# KiCad board coils_12_35_10_2_layer.kicad_pcb (continued)
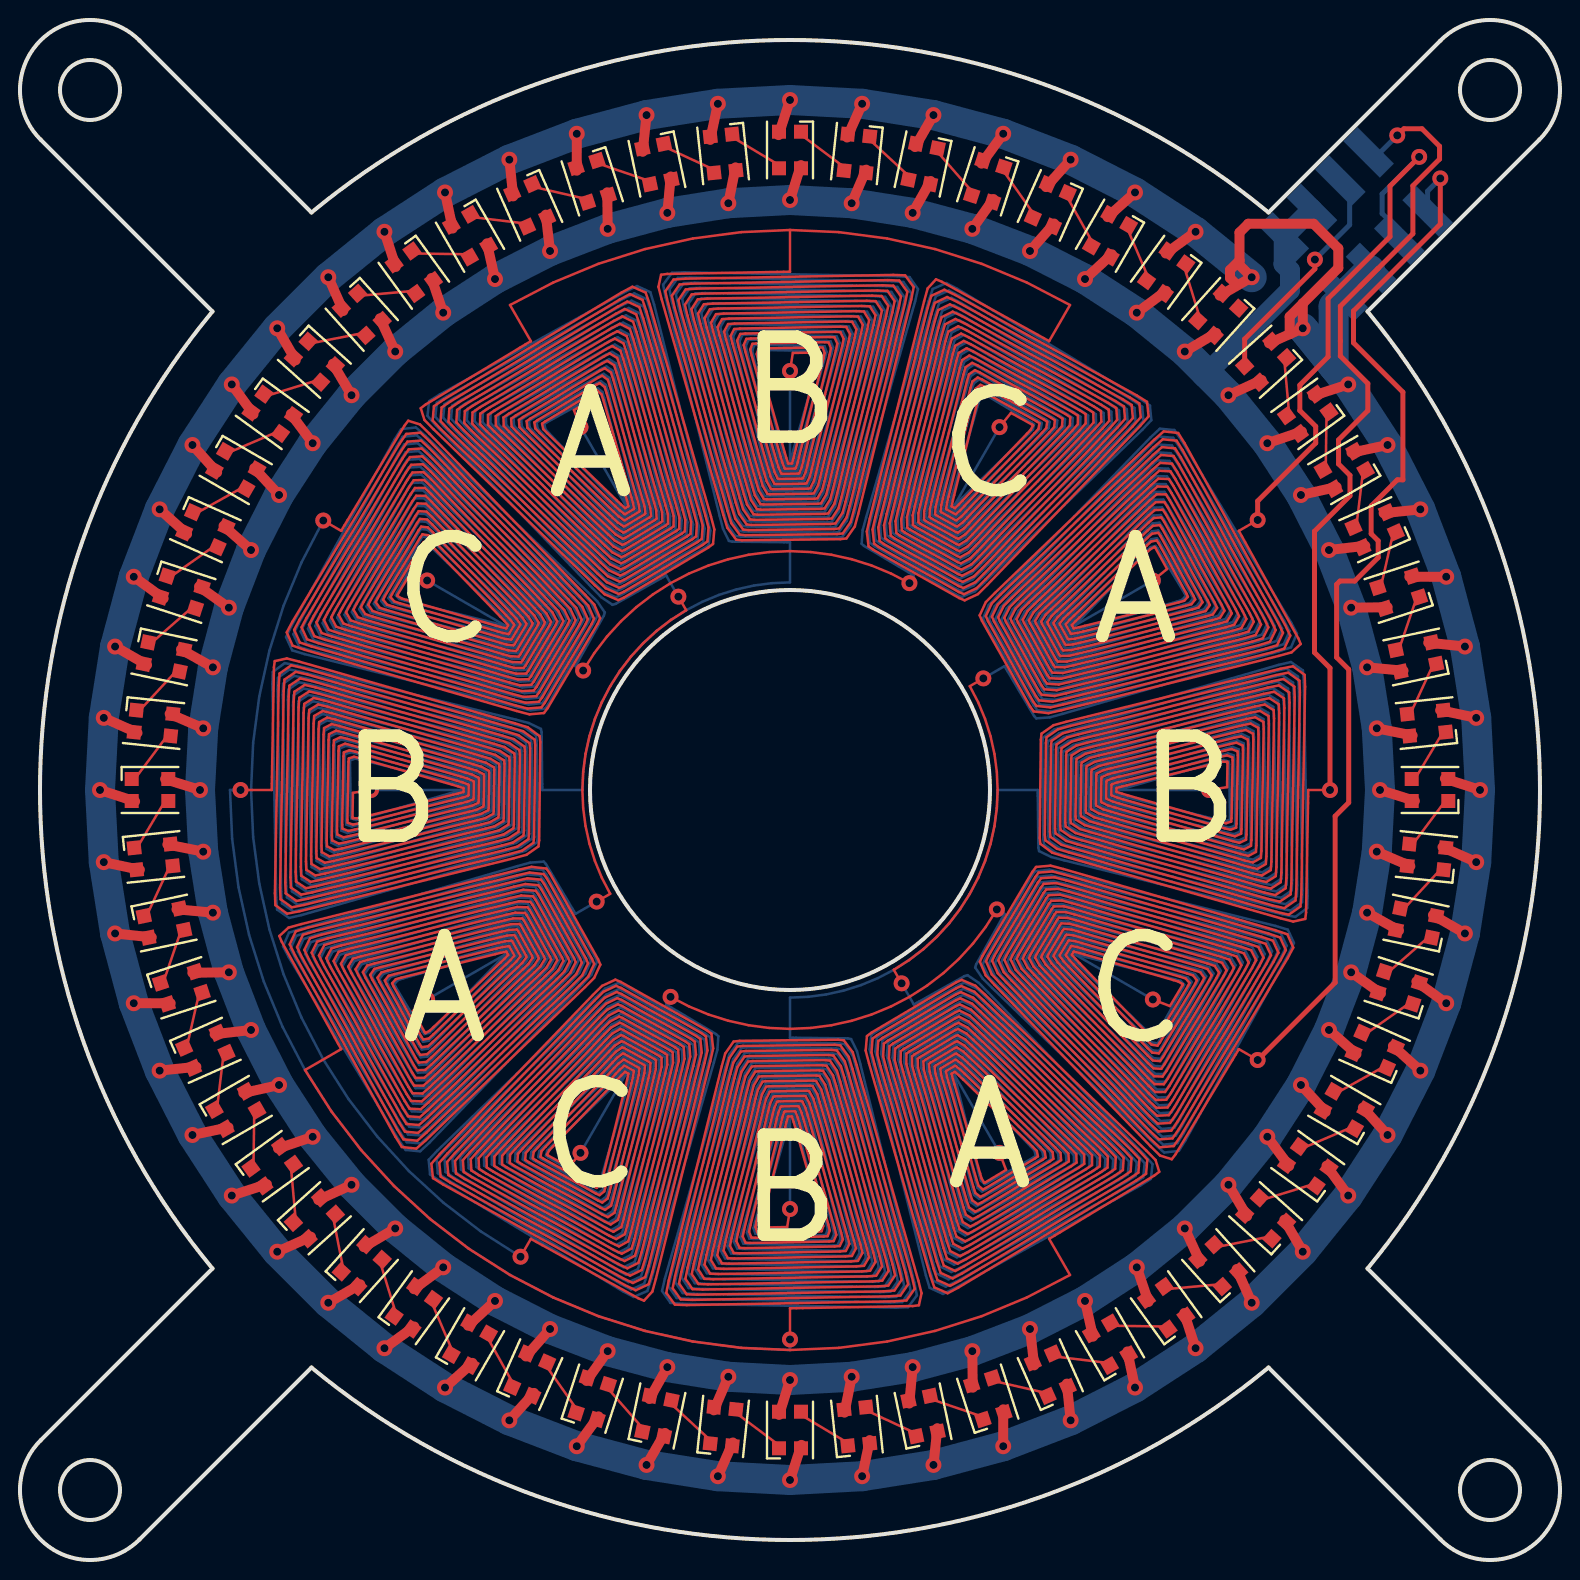
[diagram p0: board, top side]
## Routing (per net, layer and track width the routed paths; a pad name or vN(x,y) marks a point on that pad's centre or on a via; arc(x,y) is an arc through that point) (continued)
23.82,36.09 24.34,36.25 24.84,36.59 24.86,36.8 24.82,40.29 24.79,40.5 24.3,40.82 23.78,40.96 14.93,43.15 14.41,43.25 13.93,42.93 13.91,42.47 14.06,34.5 14.09,34.04 14.57,33.73 15.07,33.85 23.61,36.29 24.11,36.45 24.58,36.76 24.61,36.95 24.57,40.13 24.54,40.32 24.07,40.62 23.58,40.75 15.14,42.84 14.65,42.93 14.19,42.64 14.17,42.21 14.3,34.77 14.34,34.34 14.8,34.06 15.27,34.17 23.4,36.5 23.88,36.64 24.33,36.93 24.35,37.11 24.32,39.97 24.29,40.14 23.84,40.41 23.37,40.54 15.35,42.52 14.88,42.62 14.45,42.34 14.43,41.95 14.55,35.05 14.58,34.65 15.02,34.39 15.47,34.5 23.19,36.7 23.65,36.84 24.07,37.11 24.1,37.26 24.07,39.81 24.04,39.96 23.62,40.21 23.17,40.33 15.57,42.21 15.12,42.3 14.7,42.05 14.69,41.68 14.8,35.32 14.83,34.95 15.24,34.71 15.67,34.82 22.99,36.91 23.41,37.04 23.82,37.28 23.84,37.42 23.81,39.64 23.79,39.78 23.39,40 22.97,40.11 15.78,41.89 15.36,41.98 14.96,41.76 14.95,41.42 15.05,35.59 15.08,35.25 15.47,35.04 15.87,35.14 22.78,37.11 23.18,37.23 23.56,37.45 23.58,37.57 23.56,39.48 23.54,39.6 23.16,39.8 22.77,39.9 15.99,41.58 15.59,41.66 15.22,41.46 15.2,41.16 15.3,35.86 15.33,35.56 15.69,35.37 16.07,35.46 22.57,37.32 22.95,37.43 23.31,37.62 23.33,37.72 23.31,39.32 23.29,39.42 22.94,39.59 22.56,39.69 16.2,41.27 15.83,41.34 15.48,41.17 15.46,40.89 15.55,36.14 15.57,35.86 15.92,35.69 16.27,35.78 22.36,37.52 22.72,37.63 23.06,37.8 23.07,37.88 23.06,39.16 23.04,39.24 22.71,39.39 22.36,39.48 16.41,40.95 16.06,41.03 15.74,40.87 15.72,40.63 15.8,36.41 15.82,36.16 16.14,36.02 16.47,36.1 22.15,37.73 22.49,37.83 22.8,37.97 22.82,38.03 22.81,38.99 22.79,39.06 22.48,39.19 22.16,39.27 16.62,40.64 16.3,40.71 15.99,40.58 15.98,40.37 16.05,36.68 16.07,36.47 16.36,36.35 16.67,36.42 21.94,37.93 22.25,38.02 22.55,38.14 22.56,38.18 22.55,38.83 22.54,38.87 22.25,38.98 21.95,39.06 16.83,40.32 16.53,40.39 16.25,40.28 16.24,40.1 16.3,36.95 16.32,36.77 16.59,36.67 16.87,36.75 21.74,38.14 22.02,38.22 22.29,38.31 22.31,38.34 22.3,38.67 22.29,38.69 22.03,38.78 21.75,38.85 17.04,40.01 16.77,40.07 16.51,39.99 16.5,39.84 16.55,37.22 16.56,37.07 16.81,37 17.07,37.07 21.53,38.34 21.79,38.42 22.04,38.49 22.05,38.49 22.05,38.5 v1(17.55,38.5) ; v1(11.03,38.5) 10.5,38.5 10.61,36.06 10.93,33.64 11.45,31.25 12.19,28.92 13.12,26.67 14.25,24.5 15.56,22.44 17.05,20.5 18.7,18.7 20.5,17.05 22.44,15.56 24.5,14.25 26.67,13.12 28.92,12.19 31.25,11.45 33.64,10.93 36.06,10.61 38.5,10.5 v1(38.5,11.03) ; v1(28.16,44.47) 27.77,44.69 29.19,47.22 29.24,47.37 28.86,47.93 28.39,48.4 20.28,56.2 19.79,56.63 19.06,56.54 18.73,56.02 13.57,46.7 13.3,46.15 13.61,45.48 14.22,45.3 24.89,42.63 25.53,42.48 26.25,42.57 26.42,42.8 28.75,46.95 28.86,47.22 28.56,47.86 28.11,48.32 20.31,55.82 19.84,56.23 19.13,56.16 18.82,55.66 13.92,46.81 13.67,46.29 13.97,45.65 14.55,45.48 24.82,42.91 25.42,42.77 26.12,42.84 26.27,43.06 28.45,46.93 28.55,47.18 28.26,47.8 27.83,48.23 20.34,55.44 19.88,55.84 19.21,55.78 18.91,55.31 14.28,46.93 14.03,46.43 14.32,45.82 14.89,45.65 24.74,43.19 25.32,43.06 25.98,43.12 26.13,43.32 28.15,46.92 28.25,47.15 27.96,47.74 27.55,48.15 20.36,55.07 19.93,55.45 19.28,55.39 19.01,54.95 14.63,47.04 14.4,46.57 14.68,45.99 15.22,45.83 24.66,43.47 25.22,43.34 25.85,43.4 25.99,43.58 27.85,46.91 27.94,47.12 27.66,47.67 27.26,48.07 20.39,54.69 19.97,55.05 19.36,55.01 19.1,54.59 14.98,47.15 14.77,46.7 15.04,46.17 15.56,46.01 24.58,43.75 25.12,43.63 25.71,43.67 25.84,43.85 27.55,46.89 27.63,47.09 27.36,47.61 26.98,47.99 20.41,54.31 20.02,54.66 19.44,54.62 19.19,54.23 15.33,47.26 15.13,46.84 15.4,46.34 15.89,46.19 24.5,44.03 25.01,43.92 25.58,43.95 25.7,44.11 27.25,46.88 27.32,47.06 27.06,47.55 26.7,47.91 20.44,53.93 20.06,54.27 19.51,54.24 19.28,53.88 15.68,47.37 15.5,46.98 15.75,46.51 16.22,46.37 24.42,44.32 24.91,44.2 25.44,44.23 25.55,44.37 26.95,46.86 27.02,47.03 26.76,47.48 26.42,47.83 20.47,53.56 20.11,53.87 19.59,53.86 19.38,53.52 16.03,47.48 15.86,47.12 16.11,46.68 16.56,46.55 24.35,44.6 24.81,44.49 25.31,44.51 25.41,44.63 26.65,46.85 26.71,46.99 26.46,47.42 26.14,47.75 20.49,53.18 20.15,53.48 19.67,53.47 19.47,53.16 16.39,47.59 16.23,47.26 16.47,46.85 16.89,46.72 24.27,44.88 24.7,44.78 25.18,44.78 25.26,44.89 26.35,46.83 26.4,46.96 26.17,47.36 25.86,47.66 20.52,52.8 20.2,53.09 19.74,53.09 19.56,52.8 16.74,47.7 16.59,47.4 16.82,47.02 17.22,46.9 24.19,45.16 24.6,45.06 25.04,45.06 25.12,45.15 26.05,46.82 26.09,46.93 25.87,47.29 25.57,47.58 20.54,52.42 20.24,52.69 19.82,52.7 19.65,52.45 17.09,47.82 16.96,47.54 17.18,47.19 17.56,47.08 24.11,45.44 24.5,45.35 24.91,45.34 24.97,45.41 25.76,46.8 25.79,46.9 25.57,47.23 25.29,47.5 20.57,52.05 20.29,52.3 19.9,52.32 19.75,52.09 17.44,47.93 17.33,47.68 17.54,47.36 17.89,47.26 24.03,45.72 24.4,45.64 24.77,45.61 24.83,45.67 25.46,46.79 25.48,46.87 25.27,47.17 25.01,47.42 20.6,51.67 20.33,51.91 19.97,51.94 19.84,51.73 17.79,48.04 17.69,47.82 17.9,47.53 18.23,47.44 23.96,46 24.29,45.92 24.64,45.89 24.68,45.93 25.16,46.78 25.17,46.84 24.97,47.1 24.73,47.34 20.62,51.29 20.38,51.51 20.05,51.55 19.93,51.38 18.15,48.15 18.06,47.96 18.25,47.7 18.56,47.62 23.88,46.29 24.19,46.21 24.5,46.17 24.54,46.2 24.86,46.76 24.86,46.81 24.67,47.04 24.45,47.26 20.65,50.91 20.42,51.12 20.12,51.17 20.02,51.02 18.5,48.26 18.42,48.1 18.61,47.87 18.89,47.79 23.8,46.57 24.09,46.5 24.37,46.44 24.39,46.46 24.56,46.75 24.56,46.77 24.37,46.98 24.17,47.17 20.67,50.54 20.47,50.73 20.2,50.79 20.12,50.66 18.85,48.37 18.79,48.23 18.97,48.04 19.23,47.97 23.72,46.85 23.99,46.78 24.24,46.72 24.25,46.72 24.25,46.72 v1(20.36,48.98) ; v1(56.64,48.98) 52.75,46.73 52.74,46.73 52.75,46.74 52.93,46.93 53.12,47.12 56.34,50.45 56.53,50.64 56.79,50.7 56.87,50.58 58.22,48.34 58.29,48.2 58.1,48.01 57.84,47.92 53.18,46.58 52.91,46.5 52.64,46.44 52.61,46.45 52.44,46.74 52.44,46.77 52.63,46.98 52.84,47.2 56.35,50.83 56.56,51.04 56.85,51.09 56.95,50.94 58.58,48.24 58.66,48.08 58.47,47.85 58.18,47.75 53.11,46.29 52.81,46.21 52.51,46.16 52.48,46.18 52.15,46.74 52.14,46.79 52.33,47.04 52.55,47.27 56.36,51.21 56.59,51.43 56.91,51.48 57.03,51.3 58.94,48.14 59.03,47.95 58.83,47.69 58.52,47.59 53.04,46.01 52.72,45.92 52.38,45.87 52.34,45.92 51.85,46.75 51.83,46.81 52.03,47.09 52.27,47.34 56.38,51.59 56.62,51.83 56.97,51.86 57.11,51.66 59.29,48.04 59.4,47.83 59.19,47.53 58.86,47.42 52.97,45.72 52.62,45.63 52.26,45.59 52.2,45.65 51.55,46.75 51.52,46.83 51.73,47.15 51.99,47.42 56.39,51.97 56.65,52.22 57.04,52.25 57.19,52.02 59.65,47.95 59.77,47.7 59.56,47.37 59.2,47.25 52.9,45.44 52.53,45.33 52.13,45.31 52.06,45.39 51.25,46.76 51.22,46.85 51.43,47.2 51.71,47.49 56.4,52.35 56.69,52.62 57.1,52.63 57.27,52.38 60,47.85 60.14,47.58 59.92,47.22 59.54,47.09 52.83,45.15 52.43,45.04 52,45.03 51.93,45.12 50.95,46.76 50.91,46.88 51.13,47.25 51.42,47.56 56.41,52.72 56.72,53.01 57.16,53.02 57.35,52.74 60.36,47.75 60.51,47.45 60.28,47.06 59.88,46.92 52.76,44.87 52.34,44.75 51.88,44.75 51.79,44.85 50.65,46.77 50.6,46.9 50.83,47.31 51.14,47.64 56.43,53.1 56.75,53.41 57.22,53.41 57.43,53.1 60.71,47.65 60.88,47.32 60.65,46.9 60.22,46.76 52.69,44.58 52.24,44.46 51.75,44.46 51.65,44.59 50.35,46.77 50.3,46.92 50.53,47.36 50.86,47.71 56.44,53.48 56.78,53.8 57.29,53.79 57.51,53.46 61.07,47.55 61.25,47.2 61.01,46.74 60.56,46.59 52.62,44.3 52.15,44.17 51.63,44.18 51.52,44.32 50.06,46.78 49.99,46.94 50.23,47.42 50.57,47.78 56.45,53.86 56.81,54.2 57.35,54.18 57.59,53.82 61.42,47.45 61.62,47.07 61.37,46.58 60.9,46.42 52.55,44.01 52.05,43.88 51.5,43.9 51.38,44.05 49.76,46.79 49.68,46.97 49.93,47.47 50.29,47.85 56.46,54.24 56.84,54.59 57.41,54.57 57.67,54.18 61.78,47.36 61.99,46.95 61.74,46.43 61.24,46.26 52.48,43.73 51.96,43.59 51.37,43.62 51.24,43.79 49.46,46.79 49.37,46.99 49.64,47.53 50.01,47.93 56.48,54.62 56.87,54.99 57.47,54.95 57.75,54.55 62.14,47.26 62.37,46.82 62.1,46.27 61.58,46.09 52.41,43.45 51.86,43.3 51.25,43.34 51.1,43.52 49.16,46.8 49.07,47.01 49.34,47.58 49.73,48 56.49,54.99 56.9,55.38 57.53,55.34 57.83,54.91 62.49,47.16 62.74,46.7 62.46,46.11 61.92,45.93 52.34,43.16 51.77,43.01 51.12,43.05 50.97,43.25 48.86,46.8 48.76,47.03 49.04,47.63 49.44,48.07 56.5,55.37 56.93,55.78 57.6,55.72 57.91,55.27 62.85,47.06 63.11,46.57 62.83,45.95 62.26,45.76 52.27,42.88 51.67,42.72 50.99,42.77 50.83,42.99 48.56,46.81 48.45,47.05 48.74,47.69 49.16,48.15 56.51,55.75 56.96,56.17 57.66,56.11 57.99,55.63 63.2,46.96 63.48,46.44 63.19,45.8 62.6,45.59 52.2,42.59 51.58,42.43 50.87,42.49 50.69,42.72 48.27,46.81 48.15,47.08 48.44,47.74 48.88,48.22 56.53,56.13 56.99,56.56 57.72,56.5 58.07,55.99 63.56,46.86 63.85,46.32 63.55,45.64 62.94,45.43 52.13,42.31 51.49,42.13 50.81,42.08 50.7,42.2 49.23,44.69 v1(48.17,44.08) ; v1(28.83,32.92) 27.77,32.31 26.3,34.8 26.19,34.92 25.51,34.87 24.87,34.69 14.06,31.57 13.45,31.36 13.15,30.68 13.44,30.14 18.93,21.01 19.28,20.5 20.01,20.44 20.47,20.87 28.12,28.78 28.56,29.26 28.85,29.92 28.73,30.19 26.31,34.28 26.13,34.51 25.42,34.57 24.8,34.41 14.4,31.41 13.81,31.2 13.52,30.56 13.8,30.04 19.01,21.37 19.34,20.89 20.04,20.83 20.49,21.25 27.84,28.85 28.26,29.31 28.55,29.95 28.44,30.19 26.17,34.01 26.01,34.23 25.33,34.28 24.73,34.12 14.74,31.24 14.17,31.05 13.89,30.43 14.15,29.94 19.09,21.73 19.4,21.28 20.07,21.22 20.5,21.63 27.56,28.93 27.96,29.37 28.24,29.97 28.14,30.2 26.03,33.75 25.88,33.95 25.23,33.99 24.66,33.84 15.08,31.07 14.54,30.89 14.26,30.3 14.51,29.84 19.17,22.09 19.47,21.66 20.1,21.62 20.51,22.01 27.27,29 27.66,29.42 27.93,29.99 27.84,30.2 25.9,33.48 25.75,33.66 25.14,33.7 24.59,33.55 15.42,30.91 14.9,30.73 14.63,30.18 14.86,29.74 19.25,22.45 19.53,22.05 20.13,22.01 20.52,22.38 26.99,29.07 27.36,29.47 27.63,30.01 27.54,30.21 25.76,33.21 25.63,33.38 25.04,33.41 24.52,33.27 15.76,30.74 15.26,30.57 15.01,30.05 15.22,29.64 19.33,22.82 19.59,22.43 20.16,22.41 20.54,22.76 26.71,29.15 27.07,29.53 27.32,30.03 27.24,30.21 25.62,32.95 25.5,33.1 24.95,33.12 24.45,32.99 16.1,30.58 15.63,30.42 15.38,29.93 15.58,29.55 19.41,23.18 19.65,22.82 20.19,22.8 20.55,23.14 26.43,29.22 26.77,29.58 27.01,30.06 26.94,30.22 25.48,32.68 25.37,32.82 24.85,32.83 24.38,32.7 16.44,30.41 15.99,30.26 15.75,29.8 15.93,29.45 19.49,23.54 19.71,23.21 20.22,23.2 20.56,23.52 26.14,29.29 26.47,29.64 26.7,30.08 26.65,30.23 25.35,32.41 25.25,32.54 24.76,32.54 24.31,32.42 16.78,30.24 16.35,30.1 16.12,29.68 16.29,29.35 19.57,23.9 19.78,23.59 20.25,23.59 20.57,23.9 25.86,29.36 26.17,29.69 26.4,30.1 26.35,30.23 25.21,32.15 25.12,32.25 24.66,32.25 24.24,32.13 17.12,30.08 16.72,29.94 16.49,29.55 16.64,29.25 19.65,24.26 19.84,23.98 20.28,23.99 20.59,24.28 25.58,29.44 25.87,29.75 26.09,30.12 26.05,30.24 25.07,31.88 25,31.97 24.57,31.96 24.17,31.85 17.46,29.91 17.08,29.78 16.86,29.42 17,29.15 19.73,24.62 19.9,24.37 20.31,24.38 20.6,24.65 25.29,29.51 25.57,29.8 25.78,30.15 25.75,30.24 24.94,31.61 24.87,31.69 24.47,31.67 24.1,31.56 17.8,29.75 17.44,29.63 17.23,29.3 17.35,29.05 19.81,24.98 19.96,24.75 20.35,24.78 20.61,25.03 25.01,29.58 25.27,29.85 25.48,30.17 25.45,30.25 24.8,31.35 24.74,31.41 24.38,31.37 24.03,31.28 18.14,29.58 17.81,29.47 17.6,29.17 17.71,28.96 19.89,25.34 20.03,25.14 20.38,25.17 20.62,25.41 24.73,29.66 24.97,29.91 25.17,30.19 25.15,30.25 24.66,31.08 24.62,31.13 24.28,31.08 23.96,30.99 18.48,29.41 18.17,29.31 17.97,29.05 18.06,28.86 19.97,25.7 20.09,25.52 20.41,25.57 20.64,25.79 24.45,29.73 24.67,29.96 24.86,30.21 24.85,30.26 24.52,30.82 24.49,30.84 24.19,30.79 23.89,30.71 18.82,29.25 18.53,29.15 18.34,28.92 18.42,28.76 20.05,26.06 20.15,25.91 20.44,25.96 20.65,26.17 24.16,29.8 24.37,30.02 24.56,30.23 24.56,30.26 24.39,30.55 24.36,30.56 24.09,30.5 23.82,30.42 19.16,29.08 18.9,28.99 18.71,28.8 18.78,28.66 20.13,26.42 20.21,26.3 20.47,26.36 20.66,26.55 23.88,29.88 24.07,30.07 24.25,30.26 24.26,30.27 24.25,30.27 v1(20.36,28.03) ; v1(32.92,48.17) 32.31,49.23 29.78,47.81 29.63,47.76 29.07,48.14 28.6,48.61 20.8,56.72 20.37,57.21 20.46,57.94 20.98,58.27 30.3,63.43 30.85,63.7 31.52,63.39 31.7,62.78 34.37,52.11 34.52,51.47 34.43,50.75 34.2,50.58 30.05,48.25 29.78,48.14 29.14,48.44 28.68,48.89 21.18,56.69 20.77,57.16 20.84,57.87 21.34,58.18 30.19,63.08 30.71,63.33 31.35,63.03 31.52,62.45 34.09,52.18 34.23,51.58 34.16,50.88 33.94,50.73 30.07,48.55 29.82,48.45 29.2,48.74 28.77,49.17 21.56,56.66 21.16,57.12 21.22,57.79 21.69,58.09 30.07,62.72 30.57,62.97 31.18,62.68 31.35,62.11 33.81,52.26 33.94,51.68 33.88,51.02 33.68,50.87 30.08,48.85 29.85,48.75 29.26,49.04 28.85,49.45 21.93,56.64 21.55,57.07 21.61,57.72 22.05,57.99 29.96,62.37 30.43,62.6 31.01,62.32 31.17,61.78 33.53,52.34 33.66,51.78 33.6,51.15 33.42,51.01 30.09,49.15 29.88,49.06 29.33,49.34 28.93,49.74 22.31,56.61 21.95,57.03 21.99,57.64 22.41,57.9 29.85,62.02 30.3,62.23 30.83,61.96 30.99,61.44 33.25,52.42 33.37,51.88 33.33,51.29 33.15,51.16 30.11,49.45 29.91,49.37 29.39,49.64 29.01,50.02 22.69,56.59 22.34,56.98 22.38,57.56 22.77,57.81 29.74,61.67 30.16,61.87 30.66,61.6 30.81,61.11 32.97,52.5 33.08,51.99 33.05,51.42 32.89,51.3 30.12,49.75 29.94,49.68 29.45,49.94 29.09,50.3 23.07,56.56 22.73,56.94 22.76,57.49 23.12,57.72 29.63,61.32 30.02,61.5 30.49,61.25 30.63,60.78 32.68,52.58 32.8,52.09 32.77,51.56 32.63,51.45 30.14,50.05 29.97,49.98 29.52,50.24 29.17,50.58 23.44,56.53 23.13,56.89 23.14,57.41 23.48,57.62 29.52,60.97 29.88,61.14 30.32,60.89 30.45,60.44 32.4,52.65 32.51,52.19 32.49,51.69 32.37,51.59 30.15,50.35 30.01,50.29 29.58,50.54 29.25,50.86 23.82,56.51 23.52,56.85 23.53,57.33 23.84,57.53 29.41,60.61 29.74,60.77 30.15,60.53 30.28,60.11 32.12,52.73 32.22,52.3 32.22,51.82 32.11,51.74 30.17,50.65 30.04,50.6 29.64,50.83 29.34,51.14 24.2,56.48 23.91,56.8 23.91,57.26 24.2,57.44 29.3,60.26 29.6,60.41 29.98,60.18 30.1,59.78 31.84,52.81 31.94,52.4 31.94,51.96 31.85,51.88 30.18,50.95 30.07,50.91 29.71,51.13 29.42,51.43 24.58,56.46 24.31,56.76 24.3,57.18 24.55,57.35 29.18,59.91 29.46,60.04 29.81,59.82 29.92,59.44 31.56,52.89 31.65,52.5 31.66,52.09 31.59,52.03 30.2,51.24 30.1,51.21 29.77,51.43 29.5,51.71 24.95,56.43 24.7,56.71 24.68,57.1 24.91,57.25 29.07,59.56 29.32,59.67 29.64,59.46 29.74,59.11 31.28,52.97 31.36,52.6 31.39,52.23 31.33,52.17 30.21,51.54 30.13,51.52 29.83,51.73 29.58,51.99 25.33,56.4 25.09,56.67 25.06,57.03 25.27,57.16 28.96,59.21 29.18,59.31 29.47,59.1 29.56,58.77 31,53.04 31.08,52.71 31.11,52.36 31.07,52.32 30.22,51.84 30.16,51.83 29.9,52.03 29.66,52.27 25.71,56.38 25.49,56.62 25.45,56.95 25.62,57.07 28.85,58.85 29.04,58.94 29.3,58.75 29.38,58.44 30.71,53.12 30.79,52.81 30.83,52.5 30.8,52.46 30.24,52.14 30.19,52.14 29.96,52.33 29.74,52.55 26.09,56.35 25.88,56.58 25.83,56.88 25.98,56.98 28.74,58.5 28.9,58.58 29.13,58.39 29.21,58.11 30.43,53.2 30.5,52.91 30.56,52.63 30.54,52.61 30.25,52.44 30.23,52.44 30.02,52.63 29.83,52.83 26.46,56.33 26.27,56.53 26.21,56.8 26.34,56.88 28.63,58.15 28.77,58.21 28.96,58.03 29.03,57.77 30.15,53.28 30.22,53.01 30.28,52.76 30.28,52.75 30.28,52.75 v1(28.02,56.64) ; v1(44.08,28.83) 44.69,27.77 47.22,29.19 47.37,29.24 47.93,28.86 48.4,28.39 56.2,20.28 56.63,19.79 56.54,19.06 56.02,18.73 46.7,13.57 46.15,13.3 45.48,13.61 45.3,14.22 42.63,24.89 42.48,25.53 42.57,26.25 42.8,26.42 46.95,28.75 47.22,28.86 47.86,28.56 48.32,28.11 55.82,20.31 56.23,19.84 56.16,19.13 55.66,18.82 46.81,13.92 46.29,13.67 45.65,13.97 45.48,14.55 42.91,24.82 42.77,25.42 42.84,26.12 43.06,26.27 46.93,28.45 47.18,28.55 47.8,28.26 48.23,27.83 55.44,20.34 55.84,19.88 55.78,19.21 55.31,18.91 46.93,14.28 46.43,14.03 45.82,14.32 45.65,14.89 43.19,24.74 43.06,25.32 43.12,25.98 43.32,26.13 46.92,28.15 47.15,28.25 47.74,27.96 48.15,27.55 55.07,20.36 55.45,19.93 55.39,19.28 54.95,19.01 47.04,14.63 46.57,14.4 45.99,14.68 45.83,15.22 43.47,24.66 43.34,25.22 43.4,25.85 43.58,25.99 46.91,27.85 47.12,27.94 47.67,27.66 48.07,27.26 54.69,20.39 55.05,19.97 55.01,19.36 54.59,19.1 47.15,14.98 46.7,14.77 46.17,15.04 46.01,15.56 43.75,24.58 43.63,25.12 43.67,25.71 43.85,25.84 46.89,27.55 47.09,27.63 47.61,27.36 47.99,26.98 54.31,20.41 54.66,20.02 54.62,19.44 54.23,19.19 47.26,15.33 46.84,15.13 46.34,15.4 46.19,15.89 44.03,24.5 43.92,25.01 43.95,25.58 44.11,25.7 46.88,27.25 47.06,27.32 47.55,27.06 47.91,26.7 53.93,20.44 54.27,20.06 54.24,19.51 53.88,19.28 47.37,15.68 46.98,15.5 46.51,15.75 46.37,16.22 44.32,24.42 44.2,24.91 44.23,25.44 44.37,25.55 46.86,26.95 47.03,27.02 47.48,26.76 47.83,26.42 53.56,20.47 53.87,20.11 53.86,19.59 53.52,19.38 47.48,16.03 47.12,15.86 46.68,16.11 46.55,16.56 44.6,24.35 44.49,24.81 44.51,25.31 44.63,25.41 46.85,26.65 46.99,26.71 47.42,26.46 47.75,26.14 53.18,20.49 53.48,20.15 53.47,19.67 53.16,19.47 47.59,16.39 47.26,16.23 46.85,16.47 46.72,16.89 44.88,24.27 44.78,24.7 44.78,25.18 44.89,25.26 46.83,26.35 46.96,26.4 47.36,26.17 47.66,25.86 52.8,20.52 53.09,20.2 53.09,19.74 52.8,19.56 47.7,16.74 47.4,16.59 47.02,16.82 46.9,17.22 45.16,24.19 45.06,24.6 45.06,25.04 45.15,25.12 46.82,26.05 46.93,26.09 47.29,25.87 47.58,25.57 52.42,20.54 52.69,20.24 52.7,19.82 52.45,19.65 47.82,17.09 47.54,16.96 47.19,17.18 47.08,17.56 45.44,24.11 45.35,24.5 45.34,24.91 45.41,24.97 46.8,25.76 46.9,25.79 47.23,25.57 47.5,25.29 52.05,20.57 52.3,20.29 52.32,19.9 52.09,19.75 47.93,17.44 47.68,17.33 47.36,17.54 47.26,17.89 45.72,24.03 45.64,24.4 45.61,24.77 45.67,24.83 46.79,25.46 46.87,25.48 47.17,25.27 47.42,25.01 51.67,20.6 51.91,20.33 51.94,19.97 51.73,19.84 48.04,17.79 47.82,17.69 47.53,17.9 47.44,18.23 46,23.96 45.92,24.29 45.89,24.64 45.93,24.68 46.78,25.16 46.84,25.17 47.1,24.97 47.34,24.73 51.29,20.62 51.51,20.38 51.55,20.05 51.38,19.93 48.15,18.15 47.96,18.06 47.7,18.25 47.62,18.56 46.29,23.88 46.21,24.19 46.17,24.5 46.2,24.54 46.76,24.86 46.81,24.86 47.04,24.67 47.26,24.45 50.91,20.65 51.12,20.42 51.17,20.12 51.02,20.02 48.26,18.5 48.1,18.42 47.87,18.61 47.79,18.89 46.57,23.8 46.5,24.09 46.44,24.37 46.46,24.39 46.75,24.56 46.77,24.56 46.98,24.37 47.17,24.17 50.54,20.67 50.73,20.47 50.79,20.2 50.66,20.12 48.37,18.85 48.23,18.79 48.04,18.97 47.97,19.23 46.85,23.72 46.78,23.99 46.72,24.24 46.72,24.25 46.72,24.25 v1(48.98,20.36)